# Altium PCB openmv-stm32n.PcbDoc (part 2 of 5) (continued)
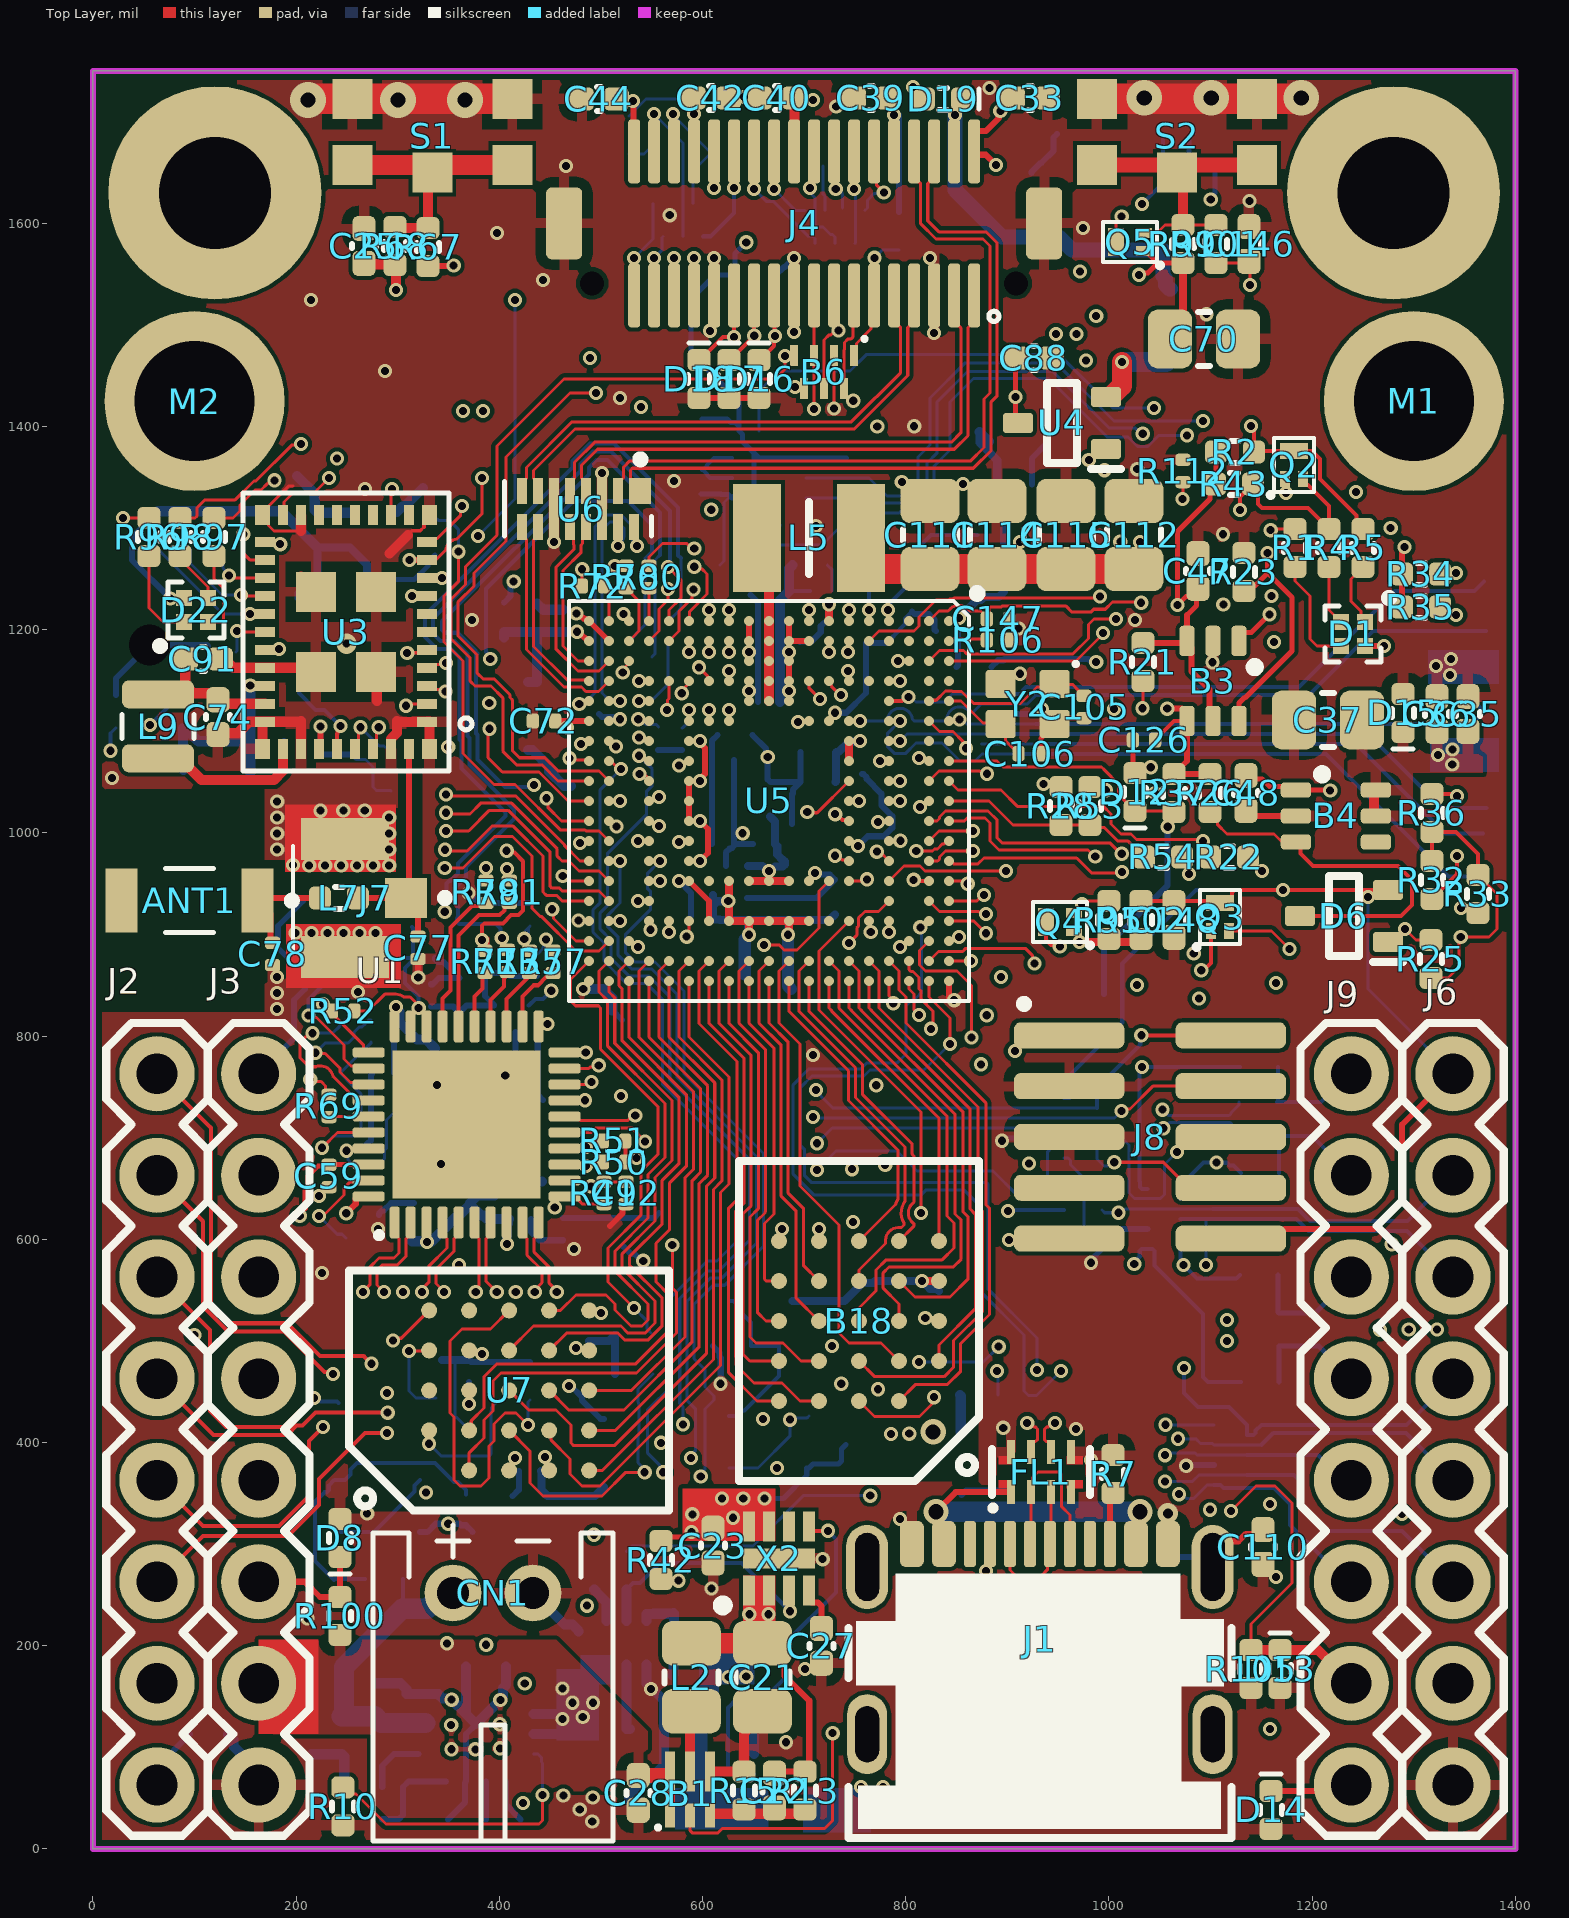
[diagram p0: Top Layer view]
## Nets (pads, with @x,y where several pads share a name; then routed paths per layer and width w, separated by ;. In a path a pad name is that pad's centre, name@x,y a point inside that pad or via, vN(x,y) a via of type N, cw(c..) or ccw(c..) an arc to the next point about the centre after c; other vN are vias at no path point) (continued)
D_N: FL1.3 J1.A7 J1.B7 | length 145.2
  Top Layer w3: J1.B7@902.47,300.2 902.47,274.69 908.46,268.7 933.07,268.7 939.62,275.25 939.62,297.98 J1.A7@941.84,300.2 942.84,301.2 FL1.3@942.84,351.31
D_P: FL1.2 J1.A6 J1.B6 | length 170.5
  Top Layer w3: J1.A6@922.16,300.2 923.16,301.21 FL1.2@923.16,351.31 924.82,352.97 924.82,365.76 930.12,371.06 951.33,371.06 953.09,369.31 953.09,337.23 961.53,328.79 J1.B6@961.53,300.2
DCMI_CLK: B8.4 J4.12 U5.F14 | length 967.7
  Top Layer w3: U5.F14@744.09,952.76 760.11,952.76 v1(761.74,954.39) ; J4.12@768.9,1670.87 771.35,1668.42 771.35,1637.45 v1(778.42,1630.38)
  L8V w3: v1(761.74,954.39) 763.84,956.49 768.85,956.49 769,956.64 776.15,956.64 781.79,951 781.79,947.58 797.28,932.09 824.82,932.09 832.68,939.95 832.68,1349.41 792.32,1389.76 792.32,1425.2 845.47,1478.35 845.47,1615.16 830.25,1630.38 v1(778.42,1630.38)
  Bottom Layer w3: B8.4@759.84,1612.8 762.28,1615.23 762.28,1622.82 769,1629.54 777.57,1629.54 v1(778.42,1630.38)
DCMI_D0: B6.5 J4.31 U5.W12 | length 853.8
  L5Z w3: v1(479.21,990.24) 489.15,1000.17 489.15,1034.48 502.13,1047.46 502.13,1169.55 538.39,1205.81 538.39,1233.27 545.28,1240.16 545.28,1261.81 558.07,1274.61 558.07,1296.2 591.65,1329.78 591.65,1422.35 608.27,1438.98 v1(690.94,1438.98)
  L8V w3: v1(571.85,1565.94) 573.86,1565.94 586.36,1578.44 616.4,1578.44 625.98,1568.86 625.98,1530.51 642.73,1513.76 696.88,1513.76 709.76,1500.89 709.76,1493 711.61,1491.14 711.61,1459.65 v1(690.94,1438.98)
DCMI_D1: B6.4 J4.29 U5.W9 | length 981.6
  Top Layer w3: U5.W9@488.19,1051.18 457.73,1051.18 441.88,1067.04 416.83,1067.04 403.35,1080.52 403.35,1133.06 391.73,1144.68 375.98,1144.68 371.17,1149.5 371.17,1172.19 352.47,1190.89 352.47,1230.37 366.63,1244.52 366.63,1262.16 397.64,1293.17 397.64,1380.91 463.63,1446.9 671.54,1446.9 681.1,1456.46 v1(681.1,1469.49)
  L8V w3: v1(591.54,1565.94) 591.54,1520.67 605.44,1506.76 693.99,1506.76 702.76,1497.99 702.76,1484.25 689.68,1471.18 682.79,1471.18 v1(681.1,1469.49)
DCMI_D2: B7.1 J4.35 U5.A18 | length 1329.6
  Top Layer w3: U5.A18@842.52,874.02 v1(864.17,874.02)
  L8V w3: v1(532.48,1565.94) 555.13,1588.59 555.13,1613.29 562.45,1620.61 572.81,1620.61 575.31,1618.11 675.2,1618.11 687.01,1629.92 687.01,1645.34 707.24,1665.57 841.43,1665.57 894,1613.01 894,1587.78 925.97,1555.8 925.97,1516.52 894,1484.55 894,1096.22 899.72,1090.5 899.72,1044.34 884.62,1029.25 884.62,976.17 ccw(c898.62,962.6) 883.84,975.31 ccw(c886.03,973.27) 883.7,975.16 883.51,974.92 ccw(c898.62,962.6) 890.28,944.97 890.63,944.62 891.51,943.74 891.51,893.58 873.19,875.26 865.42,875.26 v1(864.17,874.02)
  Bottom Layer w3: v1(532.48,1565.94) 551.18,1584.65 B7.1@551.18,1619.69
DCMI_D3: B7.4 J4.28 U5.D14 | length 1155.9
  Top Layer w3: U5.D14@783.46,952.76 798.23,967.52 813.98,967.52 818.9,962.6 v1(898.62,962.6)
  L8V w3: v1(611.22,1634.84) 613.23,1634.84 631.74,1653.36 675.23,1653.36 701.99,1680.12 846.68,1680.12 908,1618.81 908,1593.58 939.97,1561.6 939.97,1500.95 939.09,1500.08 ccw(c947.83,1491.14) 935.39,1489.97 935.39,1489.84 935.39,1488.6 931.98,1485.18 931.98,1142.53 931.1,1141.65 930.47,1141.03 ccw(c934.17,1121.88) 920.63,1107.85 921.5,1106.97 921.5,1061.8 ccw(c935.5,1048.23) 920.72,1060.94 ccw(c922.91,1058.9) 920.59,1060.79 920.39,1060.55 ccw(c935.5,1048.23) 916.68,1043.14 916.68,1042.75 916.68,1041.51 898.62,1023.45 v1(898.62,962.6)
DCMI_D4: B7.5 J4.26 U5.C19 | length 1310.3
  Top Layer w3: U5.C19@803.15,854.33 803.15,846.46 808.07,841.54 808.07,825.79 v1(812.99,820.87)
  L8V w3: v1(630.91,1634.84) 633.88,1634.84 637.52,1638.48 ; 637.53,1638.48 645.41,1646.36 678.13,1646.36 704.34,1672.57 844.33,1672.57 901,1615.91 901,1590.68 932.97,1558.7 932.97,1513.62 926.18,1506.83 926.18,1489.29 924.98,1488.08 924.98,1147.5 924.1,1146.62 923.7,1146.23 ccw(c934.17,1121.88) 913.23,1105.63 cw(c910.85,1103.81) 913.63,1104.95 914.5,1104.07 914.5,1064.63 913.59,1063.71 cw(c910.63,1064.22) 913.45,1063.19 913.33,1062.88 cw(c910.52,1063.91) 913.07,1062.33 ccw(c935.5,1048.23) 909.17,1045.3 909.17,1045.14 909.17,1043.89 891.62,1026.35 891.62,973.2 890.74,972.32 890.65,972.23 ccw(c898.62,962.6) 896.96,950.21 897.63,949.54 898.51,948.66 898.51,890.68 860.13,852.29 860.13,822.78 858.21,820.87 v1(812.99,820.87)
  Bottom Layer w4: B7.5@600.39,1587.01 600.7,1587.32 607.99,1587.32 630.91,1610.24 v1(630.91,1634.84)
DCMI_D5: B7.7 J4.33 U5.D9 | length 767.3
  L8V w3: v1(552.17,1565.94) 554.17,1565.94 573.67,1585.44 619.3,1585.44 632.98,1571.76 632.98,1542.69 654.91,1520.76 699.78,1520.76 718.61,1501.93 718.61,1491.86 784.45,1426.03 784.45,1349.96 ccw(c796.12,1345.47) 784.45,1340.99 784.45,1324.69 825.68,1283.46 825.68,1068.79 808.07,1051.18 v1(794.29,1051.18)
  Bottom Layer w3: v1(552.17,1565.94) 560.2,1573.98 560.2,1586.18 B7.7@561.02,1587.01
DCMI_D6: B8.7 J4.24 U5.W14 | length 1002.4
  Top Layer w3: v1(462.41,957.74) 464.69,957.74 469.67,952.76 U5.W14@488.19,952.76
  L5Z w3: v1(462.41,957.74) 448.82,971.33 448.82,1020.91 449.7,1021.79 450.19,1022.29 ccw(c446.49,1034.23) 450.19,1046.16 449.7,1046.66 448.82,1047.54 448.82,1061.02 441.24,1068.6 441.24,1355.61 468.5,1382.87 468.5,1585.63 549.21,1666.34 624.02,1666.34 648.49,1641.87 648.49,1635.96 v1(650.59,1633.86)
  Bottom Layer w3: v1(650.59,1633.86) 663.09,1621.36 670.08,1621.36 703.95,1587.48 708.19,1587.48 710.63,1585.05 B8.7@710.63,1580.12
DCMI_D7: B8.1 J4.22 U5.U1 | length 520.2
  L5Z w3: v1(522.18,1215.65) 520.46,1217.36 520.46,1247.83 549.21,1276.57 549.21,1297.24 584.65,1332.68 584.65,1490.16 670.28,1575.79 v1(670.28,1633.86)
  Bottom Layer w3: v1(670.28,1633.86) 691.34,1612.8 B8.1@700.79,1612.8
DCMI_FSIN: D17.1 J4.23 R28.1 | length 886
  Top Layer w4: D17.1@625.99,1464.56 v1(650.79,1489.37) J4.23@650.79,1529.13
  L3H w3: v1(650.79,1489.37) 650.79,1503.15 663.39,1515.75 957.68,1515.75 968.02,1505.4 v1(968.02,1491.04)
  L8V w3: v1(935.5,1048.23) 935.5,1105.54 946.67,1116.7 946.67,1469.68 v1(968.02,1491.04)
DCMI_HSYNC: B8.6 J4.18 U5.B12 | length 950.5
  Top Layer w3: U5.B12@822.83,992.13 832.68,1001.97 v1(866.14,1001.97)
  L8V w3: v1(705.71,1634.84) 716.76,1634.84 718.52,1636.6 718.52,1639.04 738.05,1658.57 838.53,1658.57 887,1610.11 887,1093.32 892.72,1087.6 892.72,1047.24 866.14,1020.67 v1(866.14,1001.97)
  Bottom Layer w3: v1(705.71,1634.84) 707.81,1632.74 707.81,1627.92 710.63,1625.1 710.63,1599.41 713.58,1596.46 718.5,1596.46 725.91,1589.05 727.88,1589.05 730.32,1586.61 B8.6@730.32,1580.12
DCMI_MISO: B6.6 J4.15 U5.B13 | length 1082
  Top Layer w3: B6.6@719.49,1437.4 719.49,1485.24 724.56,1490.31 726.44,1490.31 728.55,1492.42 731.53,1492.42 v1@733.63,1490.31 ; J4.15@729.53,1529.13 731.53,1527.13 731.53,1499.6 733.63,1497.5 v1@733.63,1490.31 ; v1(733.63,1494.52) v1@733.63,1490.31 ; U5.B13@822.83,972.44 831.34,972.44 833.1,974.2 833.1,976.34 839.04,982.28 v1(866.14,982.28)
  L8V w3: v1(733.63,1494.52) 726.38,1501.78 726.38,1581.69 762.8,1618.11 762.8,1635.83 769.85,1642.88 784.28,1642.88 784.45,1642.72 834.59,1642.72 871.87,1605.43 871.87,1078.18 867.5,1073.81 867.5,1031.92 853.64,1018.07 853.64,996.79 866.14,984.29 v1(866.14,982.28)
DCMI_MOSI: B6.3 J4.17 U5.W17 | length 1630.4
  Top Layer w3: v1(451.92,924.94) 453.16,923.7 453.16,915.92 475.39,893.7 U5.W17@488.19,893.7 ; v1(709.65,1417.32) B6.3@709.65,1470.08 709.65,1528.94 J4.17@709.84,1529.13
  L3H w3: v1(451.92,924.94) 451.92,913.24 519.69,845.47 808.07,845.47 832.97,820.57 833.9,820.57 843.56,810.91 862.15,810.91 870.59,819.35 878.4,819.35 v1(879.63,820.57) ; v1(709.65,1417.32) 734.98,1442.66 965.29,1442.66 977.92,1455.28 977.92,1464.47 v1(977.36,1465.03)
  L8V w3: v1(879.63,820.57) 879.63,823.55 883.26,827.18 906.2,850.14 906.2,868.67 925.12,887.59 925.12,1005.81 960.67,1041.36 960.67,1445.73 977.36,1462.42 v1(977.36,1465.03)
DCMI_PCLK: B8.5 J4.14 U5.T11 | length 917.1
  L5Z w3: v1(557.09,1006.81) 558.19,1006.81 571.85,1020.48 571.85,1047.24 552.17,1066.93 552.17,1225.9 553.92,1227.66 571.12,1227.66 578.44,1234.98 578.44,1266.99 565.07,1280.36 565.07,1293.3 598.65,1326.88 598.65,1391.94 600.4,1393.7 668.31,1393.7 712.6,1437.99 712.6,1560.98 689.96,1583.62 689.96,1645.67 699.8,1655.51 727.36,1655.51 v1(749.02,1633.86)
  Bottom Layer w3: v1(749.02,1633.86) 750.41,1632.47 750.41,1580.52 B8.5@750,1580.12
DCMI_PWDN: D18.1 J4.25 R29.1 U5.B18 | length 1272.2
  Top Layer w3: U5.B18@822.83,874.02 832.26,883.44 855.92,883.44 859,886.52 917.63,886.52 924.55,879.6 924.55,873.48 v1(926.62,871.41)
  Top Layer w4: D18.1@596.46,1464.56 620.09,1488.19 v1(630.91,1488.19) 630.91,1528.94 J4.25@631.1,1529.13
  L3H w3: v1(630.91,1488.19) 643.79,1501.07 643.79,1506.05 660.49,1522.75 973.45,1522.75 v1(987.36,1508.84)
  L8V w3: v1(926.62,871.41) 926.62,873.32 932.12,878.82 932.12,1002.91 967.67,1038.46 967.67,1427.35 989.86,1449.55 989.86,1501.58 989.46,1501.98 989.46,1506.73 v1(987.36,1508.84)
  Bottom Layer w3: v1(630.91,1488.19) 630.91,1510.83 R29.1@631.89,1511.81
DCMI_RST: D16.1 J4.21 R27.1 U5.C18 | length 1235.7
  Top Layer w3: U5.C18@803.15,874.02 803.15,865.51 804.91,863.75 807.05,863.75 812.99,857.81 812.99,846.51 815.07,844.43 815.07,836.46 826.87,824.67 826.87,809.35 v1(824.76,807.25)
  Top Layer w4: D16.1@655.52,1464.56 670.5,1479.55 670.5,1488.41 v1(671.26,1489.17) 670.86,1489.57 670.86,1528.74 J4.21@670.47,1529.13
  L3H w3: v1(671.26,1489.17) 671.26,1500 679.13,1507.87 931.1,1507.87 v1(947.83,1491.14)
  L8V w3: v1(824.76,807.25) 854.49,807.25 867.13,819.88 867.13,849.39 905.51,887.78 905.51,951.81 911.12,957.42 911.12,1026.05 924.8,1039.73 924.8,1040.98 924.8,1041.76 cw(c935.5,1048.23) 927.53,1057.86 927.62,1057.95 928.5,1058.83 928.5,1108.44 930.12,1110.05 cw(c934.17,1121.88) 935.79,1134.27 935.97,1134.27 ; 935.98,1134.27 937.22,1134.27 938.1,1135.15 938.98,1136.03 938.98,1482.28 v1(947.83,1491.14)
  Bottom Layer w4: R27.1@670.28,1511.81 671.26,1510.83 v1(671.26,1489.17) v1@670.5,1488.41
DCMI_SCL: B7.3 J4.32 R30.1 U5.T9 | length 963.4
  Top Layer w3: v1@543.06,1057.85 544.83,1056.09 544.83,1055.45 547.24,1053.03 U5.T9@547.24,1051.18
  L8V w3: v1(537.91,1057.97) 540.14,1057.97 545.17,1062.99 547.21,1062.99 549.9,1065.69 549.9,1092.22 556.1,1098.43 561.02,1098.43 567.91,1105.32 628.9,1105.32 663.28,1139.69 663.28,1256.94 616.71,1303.51 613.95,1306.27 612.7,1306.27 612.27,1306.27 cw(c608.56,1318.21) 596.63,1321.92 596.63,1322.35 596.63,1323.59 592.52,1327.7 592.52,1504.92 549.21,1548.23 524.11,1548.23 519.68,1552.66 519.68,1595.47 570.87,1646.65 v1(570.87,1707.68)
  Bottom Layer w3: v1(570.87,1707.68) 570.87,1706.69 R30.1@608.27,1669.29 590.55,1651.57 B7.3@590.55,1619.69
DCMI_SCLK: B6.7 J4.13 U5.F10 | length 545.7
  Top Layer w3: B6.7@739.17,1437.4 739.17,1475.39 739.58,1475.8 739.58,1482.79 742.8,1486.01 745.8,1486.01 747.85,1488.06 747.85,1527.77 J4.13@749.21,1529.13
  L8V w3: v1(748.32,1425.49) 749.41,1424.4 749.41,1415.75 687.01,1353.35 687.01,1202.76 697.65,1192.11 697.65,1132.07 712.6,1117.13 712.6,1072.83 v1(753.94,1031.5)
DCMI_SDA: B7.6 J4.34 R31.1 U5.V9 | length 1048
  Top Layer w3: v1(495.08,1433.07) 469.49,1433.07 406.5,1370.08 406.5,1287.4 375,1255.91 375,1243 359.47,1227.47 359.47,1193.79 378.17,1175.09 378.17,1157.37 383.86,1151.68 394.63,1151.68 410.35,1135.96 410.35,1133.28 413.11,1130.52 413.11,1080.66 419.73,1074.04 444.78,1074.04 457.79,1061.02 498.03,1061.02 U5.V9@507.87,1051.18
  L8V w3: v1(495.08,1433.07) 511.81,1449.8 511.81,1602.36 552.17,1642.72 v1(552.17,1707.68)
  Bottom Layer w3: R31.1@527.56,1668.31 542.32,1668.31 552.17,1678.15 v1(552.17,1707.68) 580.71,1679.13 B7.6@580.71,1587.01
DCMI_SSEL: B6.1 J4.11 R24.1 U5.U17 | length 1446.6
  Top Layer w3: B6.1@749.02,1470.08 751.45,1472.52 751.45,1481.77 765.84,1496.16 765.84,1526.07 J4.11@768.9,1529.13
  L3H w3: v1(536.42,887.8) 553.37,870.85 843.33,870.85 859,886.52 869.35,886.52 890.51,865.36 890.51,864.46 893.7,861.27 v1(893.7,858.29) ; v1(769.22,1566.08) 787.79,1584.65 939.43,1584.65 v1(971.36,1552.72)
  L8V w3: v1(893.7,858.29) 894.94,859.53 894.94,867.31 918.12,890.49 918.12,1023.15 930.7,1035.73 945.14,1035.73 953.67,1044.26 953.67,1459.01 980.52,1485.87 980.52,1496.22 969.49,1507.26 969.49,1550.85 v1(971.36,1552.72)
  Bottom Layer w3: v1(769.22,1566.08) 776.97,1573.82 R24.1@793.31,1573.82
DCMI_VSYNC: B8.3 J4.16 U5.B9 | length 805.8
  Top Layer w3: U5.B9@822.83,1051.18 832.68,1061.02 872.74,1061.02 873.3,1060.47 877.89,1060.47 v1(880,1058.36)
  L8V w3: v1(731.02,1633.86) 733.12,1635.96 733.12,1640.6 744.09,1651.57 835.63,1651.57 880,1607.21 v1(880,1058.36)
  Bottom Layer w3: v1@736.65,1632.04 ccw(c749.02,1633.86) 737.91,1628.12 B8.3@737.91,1615.04
ETH_1V0: C63.1 L10.1 L11.1 L12.2 | length 167.3
  Bottom Layer w10: L12.2@336.77,724.69 359.45,724.69 371.88,737.13 L11.1@408.64,737.13 408.64,691.38 L10.1@408.76,691.25 374.45,691.25 C63.1@367.32,684.13
ETH_AVDD1V0: C7.2 C57.1 C58.1 C59.1 C60.1 L10.2 U1.3 U1.8 U1.38 | length 473.4
  Top Layer w5: v1(203.47,623.2) 203.47,625.16 208.94,630.63 208.94,648.31 211.48,650.85 211.48,662.27 221.27,672.06 230.94,672.06 C59.1@232.28,673.4 232.64,673.76 U1.38@271.31,673.76
  L4 w6: v1(203.47,623.2) 203.47,622.21 233.15,592.52 321.65,592.52 326.58,597.44 v1(328.74,597.44)
  Bottom Layer w10: C58.1@313.17,600.39 313.17,599.21 314.17,598.21 327.97,598.21 v1(328.74,597.44) 329.51,598.21 333.44,598.21 356.97,621.73 358.67,621.73 C57.1@371.06,634.12 ; v1(407.48,595.47) 407.48,614.78 408.28,615.58 408.28,619.08 C60.1@409.28,620.08 387.67,620.08 384.14,623.6 381.58,623.6 C57.1@371.06,634.12 ; C7.2@441.76,657 L10.2@408.76,657 408.76,656.52 401.84,649.6 401.36,649.6 395,643.24 378.47,643.24 C57.1@371.06,635.83 C57.1@371.06,634.12
ETH_AVDD33: C2.2 C49.1 C50.1 C53.1 L6.2 R49.1 U1.11 U1.40 | length 377.9
  Top Layer w3: U1.11@464.22,642.26 474.53,642.26 478.47,638.32 478.47,637.97 481.76,634.67 R49.1@502.95,634.67
  Top Layer w6: v1(249.31,625.76) 258.58,635.03 258.58,640.34 260.5,642.26 U1.40@271.31,642.26
  L4 w6: v1(249.31,625.76) 446.95,625.76 452.65,631.46 v1(454.47,631.46)
  Bottom Layer w6: C53.1@462.76,621.13 552.23,621.13 C49.1@557.09,625.98
ETH_CFG_LDO0: R84.1 U1.33 | length 138.3
  Top Layer w3: v1(219.01,783.74) 219.73,783.02 228.55,783.02 243.14,768.43 243.14,764.74 253.55,754.33 269.48,754.33 U1.33@271.31,752.5
  Bottom Layer w3: v1(219.01,783.74) 228.58,793.31 251.2,793.31 256.93,799.04 256.93,803.89 261.91,808.87 264.22,808.87 266.71,811.36 266.94,811.36 271.44,815.86 R84.1@273.75,815.86
ETH_CFG_LDO1: R83.1 U1.34 | length 155.5
  Top Layer w3: v1(216.16,802.92) 213.18,802.92 209.6,799.34 209.48,799.34 203.93,793.79 203.93,778.55 212.56,769.92 219.28,769.92 cw(c223.85,758.28) 236.11,760.68 236.72,760.07 254.72,742.07 255.3,742.07 260.63,736.75 U1.34@271.31,736.75
  Bottom Layer w3: v1(216.16,802.92) 235.81,802.92 242.75,809.86 242.75,810.55 248.06,815.86 R83.1@248.75,815.86
ETH_CLK_I_INT: R69.2 U1.35 | length 39.3
  Top Layer w3: R69.2@232.28,720.3 232.98,721 U1.35@271.31,721
ETH_CLK_IN_125M: R69.1 U5.P4 | length 877.9
  Top Layer w3: v1(213.76,757.42) 215.87,755.31 224.61,755.31 228.9,751.02 228.9,745.68 R69.1@232.28,742.3 ; v1(579.43,1137.57) 579.43,1140.18 584.07,1144.82 584.07,1145.21 586.61,1147.75 U5.P4@586.61,1149.61
  L3H w3: v1(213.76,757.42) 216.74,757.42 219.93,754.23 220.84,754.23 252.8,722.26 500.81,722.26 v1(519.68,741.14)
  L5Z w3: v1(519.68,741.14) 522.64,741.14 525.59,744.09 525.59,819.88 611.98,906.28 611.98,1055.01 646.09,1089.11 646.09,1119.66 628.18,1137.57 v1(579.43,1137.57)
ETH_INT: R52.2 U1.31 U5.D13 | length 958.8
  Top Layer w3: v1(226.39,831.41) 266.15,791.66 266.15,787.34 269.49,783.99 U1.31@271.31,783.99 ; v1(771.48,981.64) 774.26,981.64 U5.D13@783.46,972.44
  L3H w3: v1(226.39,831.41) 226.8,831 278.29,831 294.11,815.19 333.03,815.19 348.64,799.58 452.64,799.58 456.21,803.15 719.53,803.15 v1(770.96,751.71)
  L8V w3: v1(770.96,751.71) 770.96,754.69 774.61,758.33 774.61,788.2 745.92,816.89 745.92,832.45 710.54,867.83 703.54,874.83 703.54,908.38 710.54,915.38 710.54,931.52 752.91,973.89 762.81,973.89 770.56,981.64 v1(771.48,981.64)
ETH_LED: R55.2 R56.2 U1.32 | length 186.8
  Top Layer w3: v1(212.1,820.46) 214.21,818.36 220,818.36 247.05,791.3 247.05,777.56 254.04,770.57 268.98,770.57 U1.32@271.31,768.24
  Bottom Layer w4: v1(212.1,820.46) 212.1,836.12 239.76,863.78 239.76,870.67 R55.2@246.06,876.97 R56.2@273.45,876.97
ETH_MDC: R50.2 U1.13 U5.D12 | length 745.1
  Top Layer w3: v1(485.24,672.24) 488.14,672.24 492.07,676.18 R50.2@501.97,676.18
  L3H w3: v1(485.24,672.24) 486.59,672.24 492.49,666.34 687.99,666.34 713.77,640.56 759.76,640.56 779.71,660.51 v1(779.71,673.23)
  L8V w3: v1(779.71,673.23) 779.71,676.2 783.46,679.95 783.46,789.24 752.92,819.79 752.92,835.35 717.54,870.73 710.54,877.73 710.54,905.48 741.18,936.12 741.18,952.26 747.64,958.72 cw(c760.32,946.13) 751.17,961.47 ccw(c749.61,964.04) 751.95,962.16 cw(c761.74,954.39) 769.74,964 772.07,964 792.52,984.44 792.52,990.29 v1(794.62,992.39)
ETH_MDIO: R51.2 U1.14 U5.A11 | length 1321.6
  Top Layer w3: v1(485.24,690.94) 486.17,690.94 492.07,696.85 R51.2@501.8,696.85 ; U5.A11@842.52,1011.81 857.61,1011.81 860.47,1014.67 878.05,1014.67 882.87,1009.84 882.87,992.13 891.73,983.27 979.25,983.27 985.64,976.88 v1(986.51,976.88)
  L3H w3: v1(485.24,690.94) 485.24,689.92 495.04,680.12 509.51,680.12 538.15,708.76 548.51,708.76 555.83,701.44 555.83,682.56 557.59,680.81 742.76,680.81 747.68,685.73 784.89,685.73 810.38,660.24 915.53,660.24 920.46,665.17 920.46,673.73 v1(921.31,674.58)
  L8V w3: v1(921.31,674.58) 921.92,675.2 958.66,675.2 992.13,641.73 992.13,584.65 1017.72,559.06 1029.53,559.06 1037.4,566.93 1037.4,674.21 995.19,716.43 995.19,924.1 986.51,932.78 v1(986.51,976.88)
ETH_REG_OUT: L12.1 U1.30 | length 62.3
  Bottom Layer w10: v1(298.12,828.85) 298.12,827.76 301.65,824.23 301.65,813.97 318.95,796.68 327.78,796.68 L12.1@336.77,787.68
ETH_RSET: R82.1 U1.39 | length 102.8
  Top Layer w3: v1(222.44,623.03) 226.38,623.03 247.05,643.7 247.05,650.59 253.09,656.63 269.93,656.63 U1.39@271.31,658.01
  Bottom Layer w3: v1(222.44,623.03) 240.42,605.06 245.16,605.06 R82.1@248.84,601.38
ETH_RST_N: C12.1 R49.2 U1.12 U5.N4 | length 810.3
  Top Layer w3: U1.12@464.22,658.01 465.74,656.49 482.95,656.49 487.22,652.22 v1(490.2,652.22) 492.31,654.32 500.61,654.32 R49.2@502.95,656.67 C12.1@524.61,656.67 ; v1(596.37,1163.02) 604.99,1154.4 604.99,1150.92 U5.N4@606.3,1149.61
  L5Z w3: v1(490.2,652.22) 478.74,652.22 472.47,658.49 472.47,663.36 467.29,668.54 467.29,694.59 480.84,708.14 538.85,708.14 547.24,716.54 547.24,731.3 536.42,742.13 536.42,818.9 643.7,926.18 643.7,967.52 655.51,979.33 655.51,1004.92 648.62,1011.81 648.62,1081.74 665.68,1098.8 665.68,1149.42 659.59,1155.51 639.76,1155.51 628.94,1144.68 614.71,1144.68 v1(596.37,1163.02)
ETH_RXCLK: R79.1 R86.1 U5.R2 | length 504.2
  Top Layer w3: U5.R2@566.93,1188.98 576.77,1198.82 576.77,1218.12 589.59,1230.94 589.59,1238.28 v1(591.05,1239.74)
  L8V w3: v1(386.81,965.55) 386.81,1059.06 431.21,1103.46 431.21,1210.68 449.28,1228.75 550.96,1228.75 553.83,1225.88 586.83,1225.88 588.58,1227.64 588.58,1232.48 588.95,1232.85 588.95,1237.64 v1(591.05,1239.74)
ETH_RXCLK_INT: R79.2 U1.27 | length 144.4
  Top Layer w4: U1.27@344.14,809.58 344.14,837.17 351.89,844.92 351.89,907.05 373.19,928.35 R79.2@386.76,928.35
ETH_RXD0: R57.2 R71.1 U5.P2 | length 502.4
  Top Layer w4: v1(382.87,894.68) 382.87,908.78 385.22,911.13 403.55,911.13 411.55,919.13 418.77,919.13 423.26,923.62 423.26,972.19 414.8,980.65 409.07,980.65 v1(407.16,982.56) ; R71.1@387.25,886.91 388.39,888.05 v1@388.39,896.13
  L8V w3: v1(407.16,982.56) 407.16,1057.75 445.21,1095.8 445.21,1173.5 449.75,1178.04 527.45,1178.04 543.31,1193.9 570.87,1193.9 v1(586.61,1178.15)
ETH_RXD0_INT: R71.2 U1.25 | length 54
  Top Layer w4: U1.25@375.64,809.58 375.64,839 383.47,846.83 383.47,857.05 R71.2@385.76,859.35
ETH_RXD1: R58.2 R73.1 U5.R1 | length 869.5
  Top Layer w3: v1(565.94,1261.81) 578.55,1249.21 578.55,1231.16 566.93,1219.54 U5.R1@566.93,1208.66
  Bottom Layer w3: v1(565.94,1261.81) v1@567.91,1263.78
  Bottom Layer w4: v1(402.43,896.52) 401.31,897.65 401.31,905.78 396.65,910.43 360.48,910.43 358.14,912.78 358.14,916.09 359.16,917.12 359.16,927.89 356.07,930.97 356.07,945.68 367.25,956.85 367.25,966.66 414.37,1013.78 414.37,1023.09 370.57,1066.89 370.57,1093.38 368.56,1095.39 368.56,1176.22 355.68,1189.1 341.9,1189.1 334.77,1196.23 334.77,1211.01 479.98,1356.22 479.98,1363.03 492.29,1375.33 509.68,1375.33 567.91,1317.1 v1@567.91,1263.78
ETH_RXD1_INT: R73.2 U1.24 | length 57.5
  Top Layer w4: U1.24@391.39,809.58 391.39,835.75 404.42,848.78 404.42,857 R73.2@407.76,860.35
ETH_RXD2: R75.1 R85.1 U5.R4 | length 572
  Top Layer w3: v1(564.96,1121.06) 565.48,1121.58 565.48,1130.81 566.93,1132.26 U5.R4@566.93,1149.61
  L8V w3: v1(424.44,895.8) 441.3,878.94 453.74,878.94 465.55,890.75 465.55,901.57 454.98,912.14 441.58,912.14 415.35,938.36 415.35,954.76 416.23,955.64 ccw(c407.48,964.57) 417.51,972.03 cw(c419.94,973.79) 417.45,975.47 ccw(c407.16,982.56) 415.78,991.61 415.35,992.04 415.35,1056.05 452.21,1092.9 452.21,1168.68 454.53,1170.99 542.82,1170.99 553.98,1159.83 553.98,1132.04 v1(564.96,1121.06)
  Bottom Layer w3: R85.1@425.78,903.95 R85.1@428.59,906.76 ; v1@428.59,899.63 R85.1@428.59,906.76 ; R85.1@430.12,908.29 R85.1@428.59,906.76
ETH_RXD2_INT: R75.2 U1.23 | length 59.1
  Top Layer w4: U1.23@407.13,809.58 407.13,836.72 R75.2@429.76,859.35
ETH_RXD3: R59.2 R77.1 U5.T2 | length 603.1
  Top Layer w3: U5.T2@547.24,1188.98 557.09,1198.82 557.09,1220.47 565.94,1229.33 v1(565.94,1240.16)
  L8V w3: v1(445.77,895.11) 445.77,898.05 398.94,944.88 389.8,944.88 380.46,954.22 379.81,954.87 ccw(c377.21,953.39) 379.08,955.73 cw(c386.81,965.55) 378.84,975.18 378.93,975.27 379.81,976.15 379.81,1062.88 424.21,1107.28 424.21,1213.58 446.38,1235.75 553.86,1235.75 554.25,1235.37 558.69,1235.37 563.48,1240.16 v1(565.94,1240.16)
  Bottom Layer w3: R59.2@437.01,881.08 437.7,881.08 443.01,886.39 443.01,887.08 443.66,887.73 443.66,893 v1(445.77,895.11)
ETH_RXD3_INT: R77.2 U1.22 | length 70.9
  Top Layer w4: U1.22@422.88,809.58 422.88,839.22 433.79,850.13 437.99,850.13 445.99,858.13 446.72,858.13 451.07,862.48 R77.2@454.55,862.48
ETH_RXEN: R81.1 R87.1 U5.M2 | length 443.8
  L8V w3: v1(407.48,964.57) 394.07,977.98 394.07,1054.56 438.21,1098.7 438.21,1176.4 446.85,1185.04 524.55,1185.04 540.41,1200.9 542.43,1200.9 543.42,1201.88 602.25,1201.88 v1(625.98,1178.15)
ETH_RXEN_INT: R81.2 U1.26 | length 153.6
  Top Layer w4: U1.26@359.89,809.58 359.89,899.26 379.76,919.13 400.23,919.13 404.88,923.78 404.88,927.2 406.03,928.35 R81.2@409.76,928.35
ETH_TXCLK: R78.1 U5.U3 | length 13.9
  Top Layer w3: v1(521.44,1157.93) 523.55,1160.04 523.55,1163.43 527.56,1167.44 U5.U3@527.56,1169.29
ETH_TXCLK_INT: R78.2 U1.20 | length 927.7
  L8V w3: v1(391.05,1171.13) 392.32,1169.85 400.03,1169.85 416.75,1153.14 416.75,1109.72 372.81,1065.78 372.81,979.13 ccw(c386.81,965.55) 372.03,978.27 ccw(c374.22,976.22) 371.89,978.11 371.69,977.87 ccw(c386.81,965.55) 367.35,966.76 333.66,933.07 333.66,890.75 441.37,783.04 484.13,783.04 v1(484.97,783.88)
  Bottom Layer w3: R78.2@528.54,1190.13 529.23,1190.13 534.54,1195.45 534.54,1196.13 543.31,1204.9 543.31,1270.67 550.12,1277.49
  Bottom Layer w4: v1(391.05,1171.13) 391.05,1173.83 386.79,1178.09 386.79,1240.4 473.16,1326.77 526.57,1326.77 550.12,1303.22 550.12,1277.49
ETH_TXD0: R70.1 U5.U2 | length 61.8
  Top Layer w3: R70.1@524.61,1240.97 525.29,1240.97 530.61,1235.66 530.61,1234.97 537.4,1228.17 537.4,1198.82 U5.U2@527.56,1188.98
ETH_TXD0_INT: R70.2 U1.18 | length 1113.8
  Top Layer w3: U1.18@464.22,752.5 485.43,752.5 487.72,754.79 v1(490.69,754.79)
  L8V w3: v1(490.69,754.79) 490.69,753.44 496.61,747.53 496.61,739.83 496.61,738.59 496.61,738.41 cw(c484.2,736.91) 482.49,724.53 ccw(c482.1,721.55) 481.19,724.41 480.18,724.41 403.54,724.41 343.5,784.45 343.5,855.32 312.48,886.34 312.48,896.22 ccw(c293.74,901.61) 312.48,907 312.48,1103.19 291.71,1123.96 291.71,1270.06 357.28,1335.63 485.24,1335.63 496.06,1324.8 525.59,1324.8 556.1,1294.29 556.1,1278.54 540.33,1262.77 v1(513.48,1262.77)
ETH_TXD1: R72.1 U5.V1 | length 34.7
  Top Layer w3: R72.1@502.95,1240.97 503.49,1240.97 507.87,1236.58 U5.V1@507.87,1208.66
ETH_TXD1_INT: R72.2 U1.17 | length 773.4
  Top Layer w3: U1.17@464.22,736.75 464.3,736.83 484.12,736.83 v1(484.2,736.91) ; R72.2@481.13,1243.11 481.31,1243.29 481.31,1259.43 v1(481.48,1259.61)
  L8V w3: v1(481.48,1259.61) 479.38,1257.5 474.19,1257.5 471.72,1255.03 445.7,1255.03 367.94,1177.27 367.94,1144.91 377.37,1135.48 379.86,1135.48 380.79,1136.41 cw(c390.06,1128.03) 387.34,1115.83 387.03,1115.83 385.78,1115.83 384.9,1114.95 383.41,1113.45 365.81,1095.86 365.81,1063.65 352.22,1050.06 350.98,1050.06 350.62,1050.06 ccw(c347.44,1037.97) 335.35,1034.79 335.35,1034.43 335.35,1033.19 319.48,1017.32 319.48,959.06 322.83,955.71 322.83,888.78 474.45,737.16 483.95,737.16 v1(484.2,736.91)
ETH_TXD2: R74.1 U5.T5 | length 81.2
  Bottom Layer w3: v1(537.4,1129.92) 549.44,1129.92 565.94,1146.42 565.94,1186.67 R74.1@569.86,1190.58
ETH_TXD2_INT: R74.2 U1.16 | length 1228
  Top Layer w3: U1.16@464.22,721 475.57,721 479.36,717.21 526.5,717.21 531.16,721.87 v1(533.76,721.87)
  L8V w3: v1(346.16,922.5) 348.27,920.4 352.8,920.4 355.32,917.88 355.32,896.65 423.23,828.74 510.83,828.74 536.53,803.04 536.53,729.12 535.86,728.46 535.86,723.97 v1(533.76,721.87)
  Bottom Layer w3: R74.2@569.86,1212.58 570.55,1212.58 575.86,1217.89 575.86,1218.58 578.55,1221.28 578.55,1270.67
  Bottom Layer w4: v1(346.16,922.5) 348.07,924.41 348.07,950.21 350.42,952.55 351.64,952.55 359.25,960.17 359.25,969.98 406.05,1016.78 406.05,1020.09 402.05,1024.1 362.57,1063.57 362.57,1090.07 360.56,1092.08 360.56,1172.91 352.36,1181.1 338.58,1181.1 326.77,1192.91 326.77,1214.32 471.98,1359.53 471.98,1366.34 488.97,1383.33 513,1383.33 575.91,1320.41 575.91,1273.31 578.55,1270.67
ETH_TXD3: R76.1 U5.T4
  other v1: 537.4,1149.61
ETH_TXD3_INT: R76.2 U1.15 | length 1185.6
  Top Layer w3: U1.15@464.22,705.25 490.68,705.25 495.27,709.85 530.32,709.85 543.33,696.84 v1(543.33,696.26)
  L8V w3: v1(434.06,1047.24) 434.06,1044.91 429.13,1039.99 429.13,943.9 434.45,938.58 450.59,938.58 cw(c450.59,887.27) 486.92,923.52 499.02,911.42 499.02,875.98 546.26,828.74 546.26,703.52 545.43,702.69 545.43,698.36 v1(543.33,696.26)
  Bottom Layer w3: R76.2@550.2,1173.4 553.15,1176.35 553.15,1268.7 558.27,1273.82
  Bottom Layer w4: 377.18,1098.08 377.18,1122.52 377.06,1122.64 377.06,1175.53 378.23,1176.69 376.56,1178.36 376.56,1179.53 358.99,1197.1 346.2,1197.1 343.5,1199.8 343.5,1208.43 487.98,1352.91 487.98,1359.72 495.6,1367.33 506.37,1367.33 558.12,1315.58 558.12,1304.81 558.27,1304.66 558.27,1273.82 ; 378.57,1096.69 378.57,1072.22 405.6,1045.19 426.71,1045.19 426.85,1045.33 432.14,1045.33 v1(434.06,1047.24)
ETH_TXEN: R80.1 U5.T1 | length 32.3
  Top Layer w3: U5.T1@547.24,1208.66 R80.1@547.24,1240.97
ETH_TXEN_INT: R80.2 U1.19 | length 1250.7
  Top Layer w3: U1.19@464.22,768.24 487.82,768.24 489.23,769.66 496.2,769.66 v1(497.85,771.31) ; R80.2@547.24,1262.97 547.3,1263.03 547.3,1271.71 560.49,1284.9 584.54,1284.9 589.4,1280.04 v1(591.8,1280.04)
  L8V w3: v1(497.85,771.31) 497.85,769.89 503.7,764.05 503.7,737.02 cw(c484.2,736.91) 485.65,717.46 ccw(c485.88,714.47) 485.27,717.41 484.26,717.41 cw(c484.2,736.91) 484.09,717.41 474.31,717.41 395.78,717.41 335.14,778.05 335.14,832.18 324.8,842.52 307.09,842.52 299.21,850.39 299.21,883.86 305.48,890.13 305.48,897.32 ccw(c293.74,901.61) 305.48,905.9 305.48,1100.29 284.71,1121.06 284.71,1274.87 372.05,1362.2 470.47,1362.2 499.02,1333.66 542.78,1333.66 589.7,1286.75 589.7,1282.14 v1(591.8,1280.04)
ETH_VDD1V0: C11.2 C61.1 C62.1 L11.2 U1.21 | length 69.1
  Bottom Layer w6: C62.1@437.76,804.13 437.76,742.25 L11.2@442.89,737.13
  other v1: 447.46,812.08